# KiCad board JL-rev1.kicad_pcb (continued)
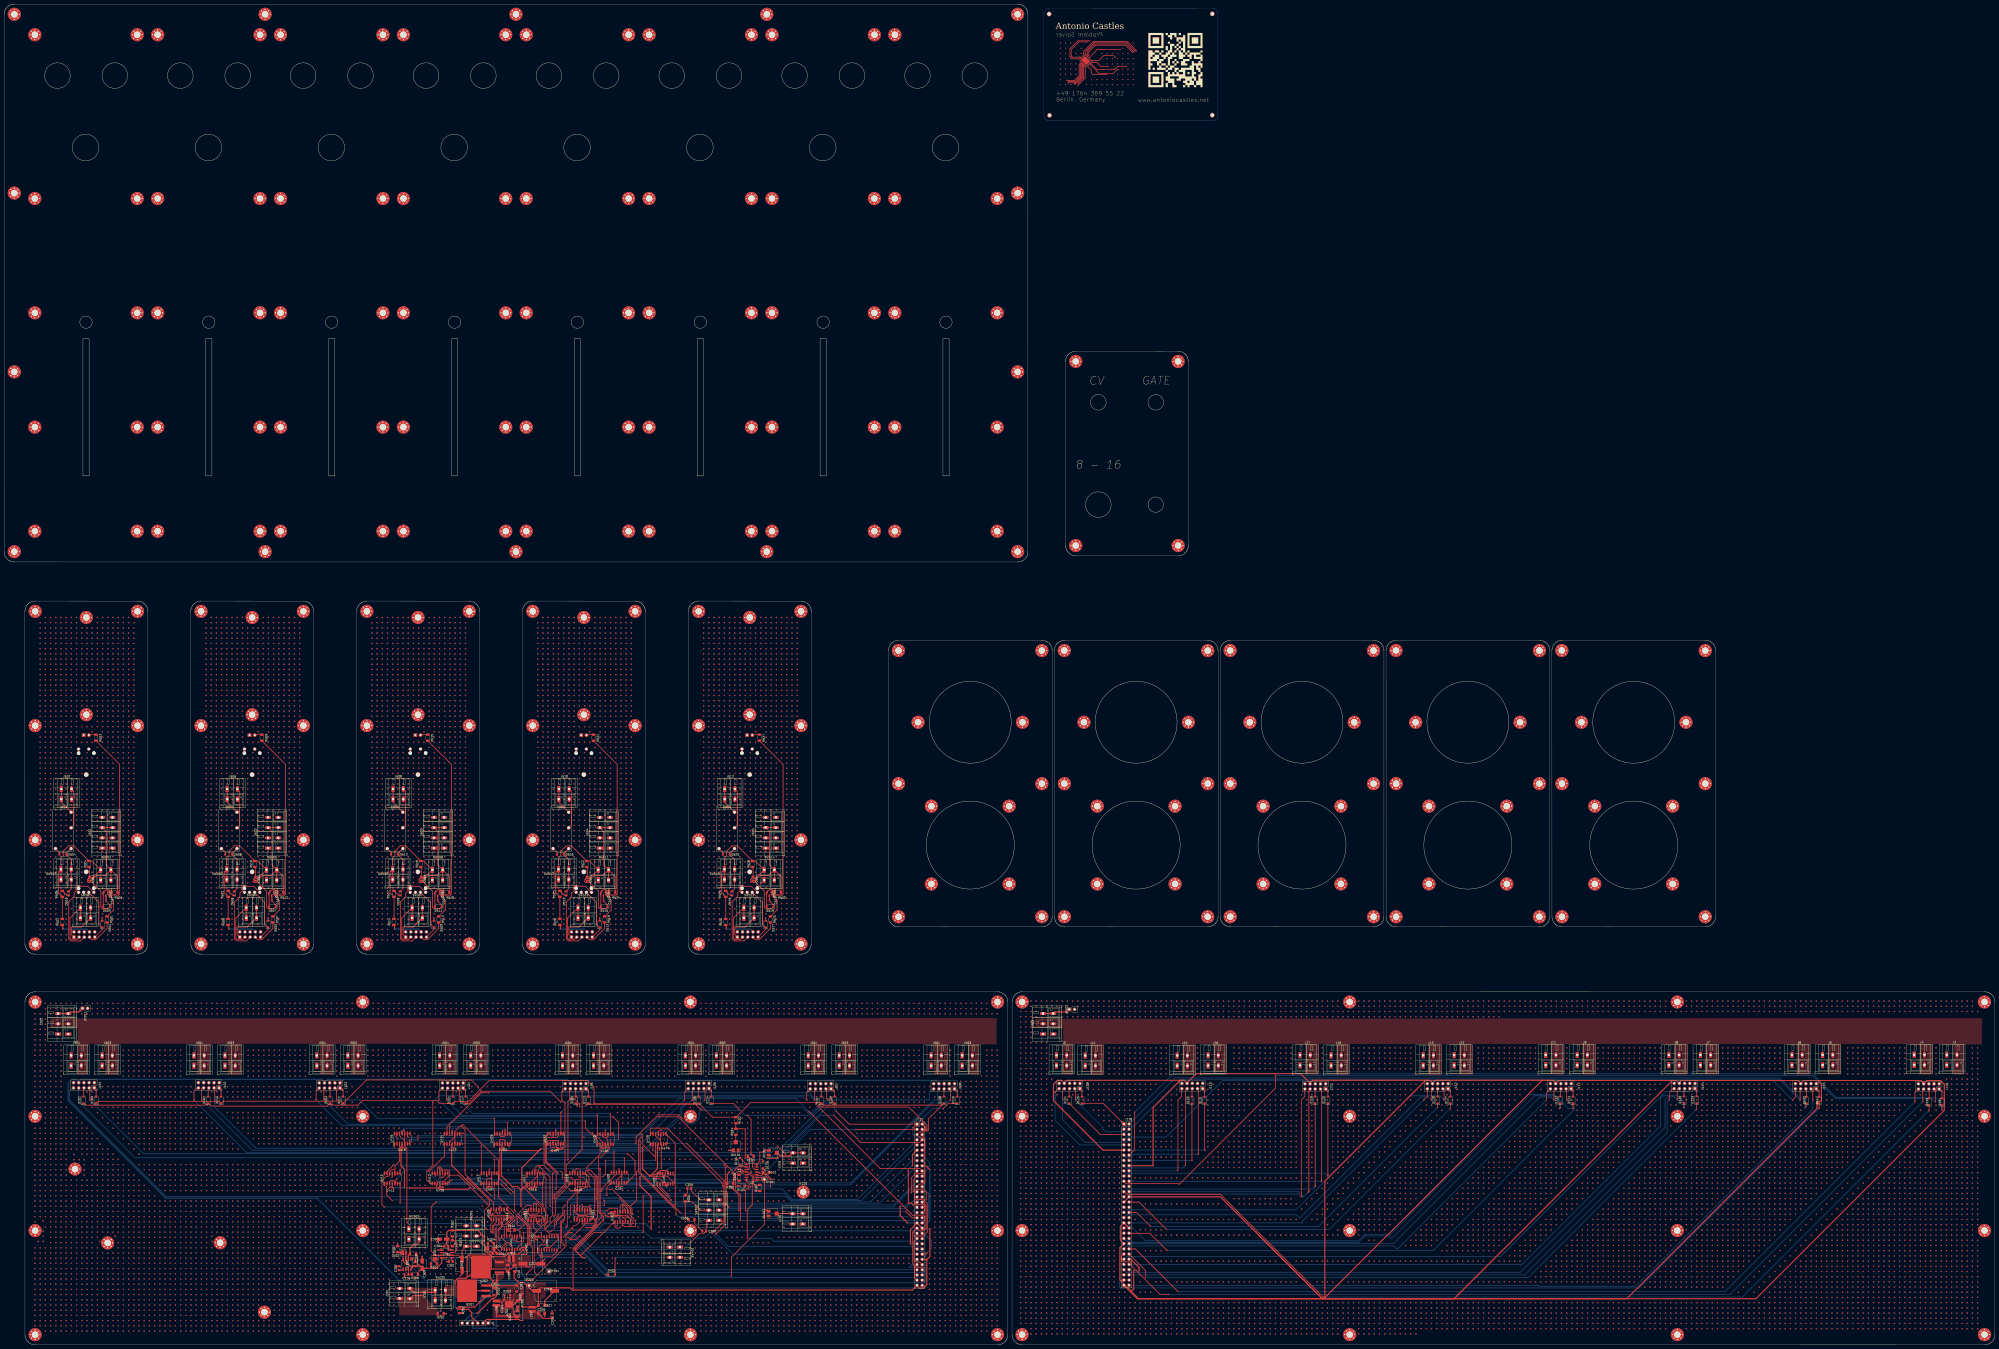
[diagram p0: board, top side]
## Routing (per net, layer and track width the routed paths; a pad name or vN(x,y) marks a point on that pad's centre or on a via; arc(x,y) is an arc through that point) (continued)
v4(819.02,66.35) v4(819.02,63.81) v4(819.02,61.27) v4(819.02,46.03) v4(819.02,43.49) v4(819.02,40.95) v4(819.02,38.41) v4(819.02,35.87) v4(819.02,33.33) v4(819.02,30.79) v4(819.02,28.25) v4(819.02,20.63) v4(819.02,18.09) v4(819.02,15.55) v4(819.02,13.01) v4(819.02,10.47) v4(821.56,167.95) v4(821.56,165.41) v4(821.56,162.87) v4(821.56,119.69) v4(821.56,106.99) v4(821.56,104.45) v4(821.56,101.91) v4(821.56,99.37) v4(821.56,96.83) v4(821.56,94.29) v4(821.56,91.75) v4(821.56,89.21) v4(821.56,86.67) v4(821.56,84.13) v4(821.56,81.59) v4(821.56,79.05) v4(821.56,76.51) v4(821.56,73.97) v4(821.56,71.43) v4(821.56,68.89) v4(821.56,66.35) v4(821.56,63.81) v4(821.56,61.27) v4(821.56,58.73) v4(821.56,56.19) v4(821.56,48.57) v4(821.56,46.03) v4(821.56,43.49) v4(821.56,40.95) v4(821.56,38.41) v4(821.56,35.87) v4(821.56,33.33) v4(821.56,30.79) v4(821.56,28.25) v4(821.56,20.63) v4(821.56,18.09) v4(821.56,15.55) v4(821.56,13.01) v4(821.56,10.47) v4(821.56,7.93) v4(824.1,167.95) v4(824.1,165.41) v4(824.1,162.87) v4(824.1,122.23) v4(824.1,119.69) v4(824.1,117.15) v4(824.1,109.53) v4(824.1,106.99) v4(824.1,104.45) v4(824.1,101.91) v4(824.1,99.37) v4(824.1,96.83) v4(824.1,94.29) v4(824.1,91.75) v4(824.1,89.21) v4(824.1,86.67) v4(824.1,84.13) v4(824.1,81.59) v4(824.1,79.05) v4(824.1,76.51) v4(824.1,73.97) v4(824.1,71.43) v4(824.1,68.89) v4(824.1,66.35) v4(824.1,63.81) v4(824.1,61.27) v4(824.1,58.73) v4(824.1,51.11) v4(824.1,48.57) v4(824.1,46.03) v4(824.1,43.49) v4(824.1,40.95) v4(824.1,38.41) v4(824.1,35.87) v4(824.1,33.33) v4(824.1,30.79) v4(824.1,28.25) v4(824.1,20.63) v4(824.1,18.09) v4(824.1,15.55) v4(824.1,13.01) v4(824.1,10.47) v4(824.1,7.93) v4(826.64,167.95) v4(826.64,165.41) v4(826.64,162.87) v4(826.64,119.69) v4(826.64,112.07) v4(826.64,109.53) v4(826.64,106.99) v4(826.64,104.45) v4(826.64,101.91) v4(826.64,99.37) v4(826.64,96.83) v4(826.64,94.29) v4(826.64,91.75) v4(826.64,89.21) v4(826.64,86.67) v4(826.64,84.13) v4(826.64,81.59) v4(826.64,79.05) v4(826.64,76.51) v4(826.64,73.97) v4(826.64,71.43) v4(826.64,68.89) v4(826.64,66.35) v4(826.64,63.81) v4(826.64,61.27) v4(826.64,53.65) v4(826.64,51.11) v4(826.64,48.57) v4(826.64,46.03) v4(826.64,43.49) v4(826.64,40.95) v4(826.64,38.41) v4(826.64,35.87) v4(826.64,33.33) v4(826.64,30.79) v4(826.64,28.25) v4(826.64,20.63) v4(826.64,18.09) v4(826.64,15.55) v4(826.64,13.01) v4(826.64,10.47) v4(826.64,7.93) v4(829.18,167.95) v4(829.18,165.41) v4(829.18,162.87) v4(829.18,127.31) v4(829.18,124.77) v4(829.18,122.23) v4(829.18,119.69) v4(829.18,117.15) v4(829.18,114.61) v4(829.18,112.07) v4(829.18,109.53) v4(829.18,106.99) v4(829.18,104.45) v4(829.18,101.91) v4(829.18,99.37) v4(829.18,96.83) v4(829.18,94.29) v4(829.18,91.75) v4(829.18,89.21) v4(829.18,86.67) v4(829.18,84.13) v4(829.18,81.59) v4(829.18,79.05) v4(829.18,76.51) v4(829.18,73.97) v4(829.18,71.43) v4(829.18,68.89) v4(829.18,66.35) v4(829.18,63.81) v4(829.18,56.19) v4(829.18,53.65) v4(829.18,51.11) v4(829.18,48.57) v4(829.18,46.03) v4(829.18,43.49) v4(829.18,40.95) v4(829.18,38.41) v4(829.18,35.87) v4(829.18,33.33) v4(829.18,30.79) v4(829.18,28.25) v4(829.18,20.63) v4(829.18,18.09) v4(829.18,15.55) v4(829.18,13.01) v4(829.18,10.47) v4(829.18,7.93) v4(831.72,167.95) v4(831.72,165.41) v4(831.72,162.87) v4(831.72,127.31) v4(831.72,124.77) v4(831.72,122.23) v4(831.72,119.69) v4(831.72,117.15) v4(831.72,114.61) v4(831.72,112.07) v4(831.72,109.53) v4(831.72,106.99) v4(831.72,104.45) v4(831.72,101.91) v4(831.72,99.37) v4(831.72,96.83) v4(831.72,94.29) v4(831.72,91.75) v4(831.72,89.21) v4(831.72,86.67) v4(831.72,84.13) v4(831.72,81.59) v4(831.72,79.05) v4(831.72,76.51) v4(831.72,73.97) v4(831.72,71.43) v4(831.72,68.89) v4(831.72,66.35) v4(831.72,58.73) v4(831.72,56.19) v4(831.72,53.65) v4(831.72,51.11) v4(831.72,48.57) v4(831.72,46.03) v4(831.72,43.49) v4(831.72,40.95) v4(831.72,38.41) v4(831.72,35.87) v4(831.72,33.33) v4(831.72,30.79) v4(831.72,28.25) v4(831.72,20.63) v4(831.72,18.09) v4(831.72,15.55) v4(831.72,13.01) v4(831.72,10.47) v4(831.72,7.93) v4(834.26,167.95) v4(834.26,165.41) v4(834.26,162.87) v4(834.26,127.31) v4(834.26,124.77) v4(834.26,122.23) v4(834.26,119.69) v4(834.26,117.15) v4(834.26,114.61) v4(834.26,112.07) v4(834.26,109.53) v4(834.26,106.99) v4(834.26,104.45) v4(834.26,101.91) v4(834.26,99.37) v4(834.26,96.83) v4(834.26,94.29) v4(834.26,91.75) v4(834.26,89.21) v4(834.26,86.67) v4(834.26,84.13) v4(834.26,81.59) v4(834.26,79.05) v4(834.26,76.51) v4(834.26,73.97) v4(834.26,71.43) v4(834.26,68.89) v4(834.26,61.27) v4(834.26,58.73) v4(834.26,56.19) v4(834.26,53.65) v4(834.26,51.11) v4(834.26,48.57) v4(834.26,46.03) v4(834.26,43.49) v4(834.26,40.95) v4(834.26,38.41) v4(834.26,35.87) v4(834.26,33.33) v4(834.26,30.79) v4(834.26,28.25) v4(834.26,20.63) v4(834.26,18.09) v4(834.26,15.55) v4(834.26,13.01) v4(834.26,10.47) v4(834.26,7.93) v4(836.8,167.95) v4(836.8,165.41) v4(836.8,162.87) v4(836.8,127.31) v4(836.8,124.77) v4(836.8,122.23) v4(836.8,119.69) v4(836.8,117.15) v4(836.8,114.61) v4(836.8,112.07) v4(836.8,109.53) v4(836.8,106.99) v4(836.8,104.45) v4(836.8,101.91) v4(836.8,99.37) v4(836.8,96.83) v4(836.8,94.29) v4(836.8,91.75) v4(836.8,89.21) v4(836.8,86.67) v4(836.8,84.13) v4(836.8,81.59) v4(836.8,79.05) v4(836.8,76.51) v4(836.8,73.97) v4(836.8,71.43) v4(836.8,63.81) v4(836.8,61.27) v4(836.8,58.73) v4(836.8,56.19) v4(836.8,53.65) v4(836.8,51.11) v4(836.8,48.57) v4(836.8,46.03) v4(836.8,43.49) v4(836.8,40.95) v4(836.8,38.41) v4(836.8,35.87) v4(836.8,33.33) v4(836.8,30.79) v4(836.8,28.25) v4(836.8,20.63) v4(836.8,18.09) v4(836.8,15.55) v4(836.8,13.01) v4(836.8,10.47) v4(836.8,7.93) v4(839.34,167.95) v4(839.34,165.41) v4(839.34,162.87) v4(839.34,145.09) v4(839.34,142.55) v4(839.34,140.01) v4(839.34,137.47) v4(839.34,134.93) v4(839.34,127.31) v4(839.34,124.77) v4(839.34,122.23) v4(839.34,119.69) v4(839.34,117.15) v4(839.34,114.61) v4(839.34,112.07) v4(839.34,109.53) v4(839.34,106.99) v4(839.34,104.45) v4(839.34,101.91) v4(839.34,99.37) v4(839.34,96.83) v4(839.34,94.29) v4(839.34,91.75) v4(839.34,89.21) v4(839.34,86.67) v4(839.34,84.13) v4(839.34,81.59) v4(839.34,79.05) v4(839.34,76.51) v4(839.34,73.97) v4(839.34,66.35) v4(839.34,63.81) v4(839.34,61.27) v4(839.34,58.73) v4(839.34,56.19) v4(839.34,53.65) v4(839.34,51.11) v4(839.34,48.57) v4(839.34,46.03) v4(839.34,43.49) v4(839.34,40.95) v4(839.34,38.41) v4(839.34,35.87) v4(839.34,33.33) v4(839.34,30.79) v4(839.34,28.25) v4(839.34,20.63) v4(839.34,18.09) v4(839.34,15.55) v4(839.34,13.01) v4(839.34,10.47) v4(839.34,7.93) v4(841.88,167.95) v4(841.88,165.41) v4(841.88,162.87) v4(841.88,145.09) v4(841.88,142.55) v4(841.88,140.01) v4(841.88,137.47) v4(841.88,134.93) v4(841.88,127.31) v4(841.88,124.77) v4(841.88,122.23) v4(841.88,119.69) v4(841.88,117.15) v4(841.88,114.61) v4(841.88,112.07) v4(841.88,109.53) v4(841.88,106.99) v4(841.88,104.45) v4(841.88,101.91) v4(841.88,99.37) v4(841.88,96.83) v4(841.88,94.29) v4(841.88,91.75) v4(841.88,89.21) v4(841.88,86.67) v4(841.88,84.13) v4(841.88,81.59) v4(841.88,79.05) v4(841.88,76.51) v4(841.88,68.89) v4(841.88,66.35) v4(841.88,63.81) v4(841.88,61.27) v4(841.88,58.73) v4(841.88,56.19) v4(841.88,53.65) v4(841.88,51.11) v4(841.88,48.57) v4(841.88,46.03) v4(841.88,43.49) v4(841.88,40.95) v4(841.88,38.41) v4(841.88,35.87) v4(841.88,33.33) v4(841.88,30.79) v4(841.88,20.63) v4(841.88,18.09) v4(841.88,15.55) v4(841.88,13.01) v4(841.88,10.47) v4(841.88,7.93) v4(844.42,167.95) v4(844.42,165.41) v4(844.42,162.87) v4(844.42,145.09) v4(844.42,142.55) v4(844.42,140.01) v4(844.42,137.47) v4(844.42,134.93) v4(844.42,127.31) v4(844.42,124.77) v4(844.42,122.23) v4(844.42,119.69) v4(844.42,117.15) v4(844.42,114.61) v4(844.42,112.07) v4(844.42,109.53) v4(844.42,106.99) v4(844.42,104.45) v4(844.42,101.91) v4(844.42,99.37) v4(844.42,96.83) v4(844.42,94.29) v4(844.42,91.75) v4(844.42,89.21) v4(844.42,86.67) v4(844.42,84.13) v4(844.42,81.59) v4(844.42,79.05) v4(844.42,71.43) v4(844.42,68.89) v4(844.42,66.35) v4(844.42,63.81) v4(844.42,61.27) v4(844.42,58.73) v4(844.42,56.19) v4(844.42,53.65) v4(844.42,51.11) v4(844.42,48.57) v4(844.42,46.03) v4(844.42,43.49) v4(844.42,40.95) v4(844.42,38.41) v4(844.42,35.87) v4(844.42,33.33) v4(844.42,20.63) v4(844.42,18.09) v4(844.42,15.55) v4(844.42,13.01) v4(844.42,10.47) v4(844.42,7.93) v4(846.96,167.95) v4(846.96,165.41) v4(846.96,162.87) v4(846.96,145.09) v4(846.96,142.55) v4(846.96,140.01) v4(846.96,137.47) v4(846.96,134.93) v4(846.96,127.31) v4(846.96,124.77) v4(846.96,122.23) v4(846.96,119.69) v4(846.96,117.15) v4(846.96,114.61) v4(846.96,112.07) v4(846.96,109.53) v4(846.96,106.99) v4(846.96,104.45) v4(846.96,101.91) v4(846.96,99.37) v4(846.96,96.83) v4(846.96,94.29) v4(846.96,91.75) v4(846.96,89.21) v4(846.96,86.67) v4(846.96,84.13) v4(846.96,81.59) v4(846.96,73.97) v4(846.96,71.43) v4(846.96,68.89) v4(846.96,66.35) v4(846.96,63.81) v4(846.96,61.27) v4(846.96,58.73) v4(846.96,56.19) v4(846.96,53.65) v4(846.96,51.11) v4(846.96,48.57) v4(846.96,46.03) v4(846.96,43.49) v4(846.96,40.95) v4(846.96,38.41) v4(846.96,35.87) v4(846.96,25.71) v4(846.96,20.63) v4(846.96,18.09) v4(846.96,15.55) v4(846.96,13.01) v4(846.96,10.47) v4(846.96,7.93) v4(849.5,167.95) v4(849.5,165.41) v4(849.5,162.87) v4(849.5,145.09) v4(849.5,142.55) v4(849.5,140.01) v4(849.5,137.47) v4(849.5,134.93) v4(849.5,127.31) v4(849.5,124.77) v4(849.5,122.23) v4(849.5,119.69) v4(849.5,117.15) v4(849.5,114.61) v4(849.5,112.07) v4(849.5,109.53) v4(849.5,106.99) v4(849.5,104.45) v4(849.5,101.91) v4(849.5,99.37) v4(849.5,96.83) v4(849.5,94.29) v4(849.5,91.75) v4(849.5,89.21) v4(849.5,86.67) v4(849.5,84.13) v4(849.5,76.51) v4(849.5,73.97) v4(849.5,71.43) v4(849.5,68.89) v4(849.5,66.35) v4(849.5,63.81) v4(849.5,61.27) v4(849.5,58.73) v4(849.5,56.19) v4(849.5,53.65) v4(849.5,51.11) v4(849.5,48.57) v4(849.5,46.03) v4(849.5,43.49) v4(849.5,40.95) v4(849.5,38.41) v4(849.5,28.25) v4(849.5,20.63) v4(849.5,18.09) v4(849.5,15.55) v4(849.5,13.01) v4(849.5,10.47) v4(849.5,7.93) v4(852.04,167.95) v4(852.04,165.41) v4(852.04,162.87) v4(852.04,145.09) v4(852.04,142.55) v4(852.04,140.01) v4(852.04,137.47) v4(852.04,134.93) v4(852.04,127.31) v4(852.04,124.77) v4(852.04,122.23) v4(852.04,119.69) v4(852.04,117.15) v4(852.04,114.61) v4(852.04,112.07) v4(852.04,109.53) v4(852.04,106.99) v4(852.04,104.45) v4(852.04,101.91) v4(852.04,99.37) v4(852.04,96.83) v4(852.04,94.29) v4(852.04,91.75) v4(852.04,89.21) v4(852.04,86.67) v4(852.04,79.05) v4(852.04,76.51) v4(852.04,73.97) v4(852.04,71.43) v4(852.04,68.89) v4(852.04,66.35) v4(852.04,63.81) v4(852.04,61.27) v4(852.04,58.73) v4(852.04,56.19) v4(852.04,53.65) v4(852.04,51.11) v4(852.04,48.57) v4(852.04,46.03) v4(852.04,43.49) v4(852.04,40.95) v4(852.04,30.79) v4(852.04,20.63) v4(852.04,18.09) v4(852.04,15.55) v4(852.04,13.01) v4(852.04,10.47) v4(852.04,7.93) v4(854.58,167.95) v4(854.58,165.41) v4(854.58,162.87) v4(854.58,145.09) v4(854.58,142.55) v4(854.58,140.01) v4(854.58,137.47) v4(854.58,134.93) v4(854.58,127.31) v4(854.58,124.77) v4(854.58,122.23) v4(854.58,119.69) v4(854.58,117.15) v4(854.58,114.61) v4(854.58,112.07) v4(854.58,109.53) v4(854.58,106.99) v4(854.58,104.45) v4(854.58,101.91) v4(854.58,99.37) v4(854.58,96.83) v4(854.58,94.29) v4(854.58,91.75) v4(854.58,89.21) v4(854.58,81.59) v4(854.58,79.05) v4(854.58,76.51) v4(854.58,73.97) v4(854.58,71.43) v4(854.58,68.89) v4(854.58,66.35) v4(854.58,63.81) v4(854.58,61.27) v4(854.58,58.73) v4(854.58,56.19) v4(854.58,53.65) v4(854.58,51.11) v4(854.58,48.57) v4(854.58,46.03) v4(854.58,43.49) v4(854.58,33.33) v4(854.58,25.71) v4(854.58,20.63) v4(854.58,18.09) v4(854.58,15.55) v4(854.58,13.01) v4(854.58,10.47) v4(854.58,7.93) v4(857.12,167.95) v4(857.12,165.41) v4(857.12,162.87) v4(857.12,145.09) v4(857.12,142.55) v4(857.12,140.01) v4(857.12,137.47) v4(857.12,134.93) v4(857.12,127.31) v4(857.12,124.77) v4(857.12,122.23) v4(857.12,119.69) v4(857.12,117.15) v4(857.12,114.61) v4(857.12,112.07) v4(857.12,109.53) v4(857.12,106.99) v4(857.12,104.45) v4(857.12,101.91) v4(857.12,99.37) v4(857.12,96.83) v4(857.12,94.29) v4(857.12,91.75) v4(857.12,84.13) v4(857.12,81.59) v4(857.12,79.05) v4(857.12,76.51) v4(857.12,73.97) v4(857.12,71.43) v4(857.12,68.89) v4(857.12,66.35) v4(857.12,63.81) v4(857.12,61.27) v4(857.12,58.73) v4(857.12,56.19) v4(857.12,53.65) v4(857.12,51.11) v4(857.12,48.57) v4(857.12,46.03) v4(857.12,35.87) v4(857.12,28.25) v4(857.12,20.63) v4(857.12,18.09) v4(857.12,15.55) v4(857.12,13.01) v4(857.12,10.47) v4(857.12,7.93) v4(859.66,167.95) v4(859.66,165.41) v4(859.66,162.87) v4(859.66,145.09) v4(859.66,142.55) v4(859.66,140.01) v4(859.66,137.47) v4(859.66,134.93) v4(859.66,127.31) v4(859.66,124.77) v4(859.66,122.23) v4(859.66,119.69) v4(859.66,117.15) v4(859.66,114.61) v4(859.66,112.07) v4(859.66,109.53) v4(859.66,106.99) v4(859.66,104.45) v4(859.66,101.91) v4(859.66,99.37) v4(859.66,96.83) v4(859.66,94.29) v4(859.66,86.67) v4(859.66,84.13) v4(859.66,81.59) v4(859.66,79.05) v4(859.66,76.51) v4(859.66,73.97) v4(859.66,71.43) v4(859.66,68.89) v4(859.66,66.35) v4(859.66,63.81) v4(859.66,61.27) v4(859.66,58.73) v4(859.66,56.19) v4(859.66,53.65) v4(859.66,51.11) v4(859.66,48.57) v4(859.66,38.41) v4(859.66,30.79) v4(859.66,23.17) v4(859.66,20.63) v4(859.66,18.09) v4(859.66,15.55) v4(859.66,13.01) v4(859.66,10.47) v4(859.66,7.93) v4(862.2,167.95) v4(862.2,165.41) v4(862.2,162.87) v4(862.2,145.09) v4(862.2,142.55) v4(862.2,140.01) v4(862.2,137.47) v4(862.2,134.93) v4(862.2,127.31) v4(862.2,124.77) v4(862.2,122.23) v4(862.2,119.69) v4(862.2,117.15) v4(862.2,114.61) v4(862.2,112.07) v4(862.2,109.53) v4(862.2,106.99) v4(862.2,104.45) v4(862.2,101.91) v4(862.2,99.37) v4(862.2,96.83) v4(862.2,89.21) v4(862.2,86.67) v4(862.2,84.13) v4(862.2,81.59) v4(862.2,79.05) v4(862.2,76.51) v4(862.2,73.97) v4(862.2,71.43) v4(862.2,68.89) v4(862.2,66.35) v4(862.2,63.81) v4(862.2,61.27) v4(862.2,58.73) v4(862.2,56.19) v4(862.2,53.65) v4(862.2,51.11) v4(862.2,40.95) v4(862.2,33.33) v4(862.2,25.71) v4(862.2,23.17) v4(862.2,20.63) v4(862.2,18.09) v4(862.2,15.55) v4(862.2,13.01) v4(862.2,10.47) v4(862.2,7.93) v4(864.74,167.95) v4(864.74,165.41) v4(864.74,162.87) v4(864.74,145.09) v4(864.74,142.55) v4(864.74,140.01) v4(864.74,137.47) v4(864.74,134.93) v4(864.74,124.77) v4(864.74,122.23) v4(864.74,119.69) v4(864.74,117.15) v4(864.74,114.61) v4(864.74,112.07) v4(864.74,109.53) v4(864.74,106.99) v4(864.74,104.45) v4(864.74,101.91) v4(864.74,99.37) v4(864.74,91.75) v4(864.74,89.21) v4(864.74,86.67) v4(864.74,84.13) v4(864.74,81.59) v4(864.74,79.05) v4(864.74,76.51) v4(864.74,73.97) v4(864.74,71.43) v4(864.74,68.89) v4(864.74,66.35) v4(864.74,63.81) v4(864.74,61.27) v4(864.74,58.73) v4(864.74,56.19) v4(864.74,53.65) v4(864.74,43.49) v4(864.74,35.87) v4(864.74,28.25) v4(864.74,25.71) v4(864.74,23.17) v4(864.74,20.63) v4(864.74,18.09) v4(864.74,15.55) v4(864.74,13.01) v4(864.74,10.47) v4(864.74,7.93) v4(867.28,167.95) v4(867.28,165.41) v4(867.28,162.87) v4(867.28,145.09) v4(867.28,142.55) v4(867.28,140.01) v4(867.28,137.47) v4(867.28,134.93) v4(867.28,122.23) v4(867.28,119.69) v4(867.28,117.15) v4(867.28,114.61) v4(867.28,112.07) v4(867.28,109.53) v4(867.28,106.99) v4(867.28,104.45) v4(867.28,101.91) v4(867.28,94.29) v4(867.28,91.75) v4(867.28,89.21) v4(867.28,86.67) v4(867.28,84.13) v4(867.28,81.59) v4(867.28,79.05) v4(867.28,76.51) v4(867.28,73.97) v4(867.28,71.43) v4(867.28,68.89) v4(867.28,66.35) v4(867.28,63.81) v4(867.28,61.27) v4(867.28,58.73) v4(867.28,56.19) v4(867.28,46.03) v4(867.28,38.41) v4(867.28,30.79) v4(867.28,28.25) v4(867.28,25.71) v4(867.28,23.17) v4(867.28,20.63) v4(867.28,18.09) v4(867.28,15.55) v4(867.28,13.01) v4(867.28,10.47) v4(867.28,7.93) v4(869.82,167.95) v4(869.82,165.41) v4(869.82,162.87) v4(869.82,119.69) v4(869.82,117.15) v4(869.82,114.61) v4(869.82,112.07) v4(869.82,109.53) v4(869.82,106.99) v4(869.82,104.45) v4(869.82,96.83) v4(869.82,94.29) v4(869.82,91.75) v4(869.82,89.21) v4(869.82,86.67) v4(869.82,84.13) v4(869.82,81.59) v4(869.82,79.05) v4(869.82,76.51) v4(869.82,73.97) v4(869.82,71.43) v4(869.82,68.89) v4(869.82,66.35) v4(869.82,63.81) v4(869.82,61.27) v4(869.82,58.73) v4(869.82,48.57) v4(869.82,40.95) v4(869.82,33.33) v4(869.82,30.79) v4(869.82,28.25) v4(869.82,25.71) v4(869.82,23.17) v4(869.82,20.63) v4(869.82,18.09) v4(869.82,15.55) v4(869.82,13.01) v4(869.82,10.47) v4(869.82,7.93) v4(872.36,167.95) v4(872.36,165.41) v4(872.36,162.87) v4(872.36,127.31) v4(872.36,117.15) v4(872.36,114.61) v4(872.36,112.07) v4(872.36,109.53) v4(872.36,106.99) v4(872.36,99.37) v4(872.36,96.83) v4(872.36,94.29) v4(872.36,91.75) v4(872.36,89.21) v4(872.36,86.67) v4(872.36,84.13) v4(872.36,81.59) v4(872.36,79.05) v4(872.36,76.51) v4(872.36,73.97) v4(872.36,71.43) v4(872.36,68.89) v4(872.36,66.35) v4(872.36,63.81) v4(872.36,61.27) v4(872.36,51.11) v4(872.36,43.49) v4(872.36,35.87) v4(872.36,33.33) v4(872.36,30.79) v4(872.36,28.25) v4(872.36,25.71) v4(872.36,23.17) v4(872.36,20.63) v4(872.36,18.09) v4(872.36,15.55) v4(872.36,13.01) v4(872.36,10.47) v4(872.36,7.93) v4(874.9,167.95) v4(874.9,165.41) v4(874.9,162.87) v4(874.9,117.15) v4(874.9,114.61) v4(874.9,112.07) v4(874.9,109.53) v4(874.9,101.91) v4(874.9,99.37) v4(874.9,96.83) v4(874.9,94.29) v4(874.9,91.75) v4(874.9,89.21) v4(874.9,86.67) v4(874.9,84.13) v4(874.9,81.59) v4(874.9,79.05) v4(874.9,76.51) v4(874.9,73.97) v4(874.9,71.43) v4(874.9,68.89) v4(874.9,66.35) v4(874.9,63.81) v4(874.9,53.65) v4(874.9,46.03) v4(874.9,38.41) v4(874.9,35.87) v4(874.9,33.33) v4(874.9,30.79) v4(874.9,28.25) v4(874.9,25.71) v4(874.9,23.17) v4(874.9,20.63) v4(874.9,18.09) v4(874.9,15.55) v4(874.9,13.01) v4(874.9,10.47) v4(874.9,7.93) v4(877.44,167.95) v4(877.44,165.41) v4(877.44,162.87) v4(877.44,117.15) v4(877.44,114.61) v4(877.44,112.07) v4(877.44,104.45) v4(877.44,101.91) v4(877.44,99.37) v4(877.44,96.83) v4(877.44,94.29) v4(877.44,91.75) v4(877.44,89.21) v4(877.44,86.67) v4(877.44,84.13) v4(877.44,81.59) v4(877.44,79.05) v4(877.44,76.51) v4(877.44,73.97) v4(877.44,71.43) v4(877.44,68.89) v4(877.44,66.35) v4(877.44,56.19) v4(877.44,48.57) v4(877.44,40.95) v4(877.44,38.41) v4(877.44,35.87) v4(877.44,33.33) v4(877.44,30.79) v4(877.44,28.25) v4(877.44,25.71) v4(877.44,23.17) v4(877.44,20.63) v4(877.44,18.09) v4(877.44,15.55) v4(877.44,13.01) v4(877.44,10.47) v4(877.44,7.93) v4(879.98,167.95) v4(879.98,165.41) v4(879.98,162.87) v4(879.98,106.99) v4(879.98,104.45) v4(879.98,101.91) v4(879.98,99.37) v4(879.98,96.83) v4(879.98,94.29) v4(879.98,91.75) v4(879.98,89.21) v4(879.98,86.67) v4(879.98,84.13) v4(879.98,81.59) v4(879.98,79.05) v4(879.98,76.51) v4(879.98,73.97) v4(879.98,71.43) v4(879.98,68.89) v4(879.98,58.73) v4(879.98,51.11) v4(879.98,43.49) v4(879.98,40.95) v4(879.98,38.41) v4(879.98,35.87) v4(879.98,33.33) v4(879.98,30.79) v4(879.98,28.25) v4(879.98,25.71) v4(879.98,23.17) v4(879.98,20.63) v4(879.98,18.09) v4(879.98,15.55) v4(879.98,13.01) v4(879.98,10.47) v4(879.98,7.93) v4(882.52,167.95) v4(882.52,165.41) v4(882.52,162.87) v4(882.52,109.53) v4(882.52,106.99) v4(882.52,104.45) v4(882.52,101.91) v4(882.52,99.37) v4(882.52,96.83) v4(882.52,94.29) v4(882.52,91.75) v4(882.52,89.21) v4(882.52,86.67) v4(882.52,84.13) v4(882.52,81.59) v4(882.52,79.05) v4(882.52,76.51) v4(882.52,73.97) v4(882.52,71.43) v4(882.52,61.27) v4(882.52,53.65) v4(882.52,46.03) v4(882.52,43.49) v4(882.52,40.95) v4(882.52,38.41) v4(882.52,35.87) v4(882.52,33.33) v4(882.52,30.79) v4(882.52,28.25) v4(882.52,25.71) v4(882.52,23.17) v4(882.52,20.63) v4(882.52,18.09) v4(882.52,15.55) v4(882.52,13.01) v4(882.52,10.47) v4(882.52,7.93) v4(885.06,167.95) v4(885.06,165.41) v4(885.06,162.87) v4(885.06,112.07) v4(885.06,109.53) v4(885.06,106.99) v4(885.06,104.45) v4(885.06,101.91) v4(885.06,99.37) v4(885.06,96.83) v4(885.06,94.29) v4(885.06,91.75) v4(885.06,89.21) v4(885.06,86.67) v4(885.06,84.13) v4(885.06,81.59) v4(885.06,79.05) v4(885.06,76.51) v4(885.06,73.97) v4(885.06,63.81) v4(885.06,56.19) v4(885.06,48.57) v4(885.06,46.03) v4(885.06,43.49) v4(885.06,40.95) v4(885.06,38.41) v4(885.06,35.87) v4(885.06,33.33) v4(885.06,30.79) v4(885.06,28.25) v4(885.06,25.71) v4(885.06,23.17) v4(885.06,20.63) v4(885.06,18.09) 